# Altium PCB 20门锁控（160412）.PcbDoc (continued)
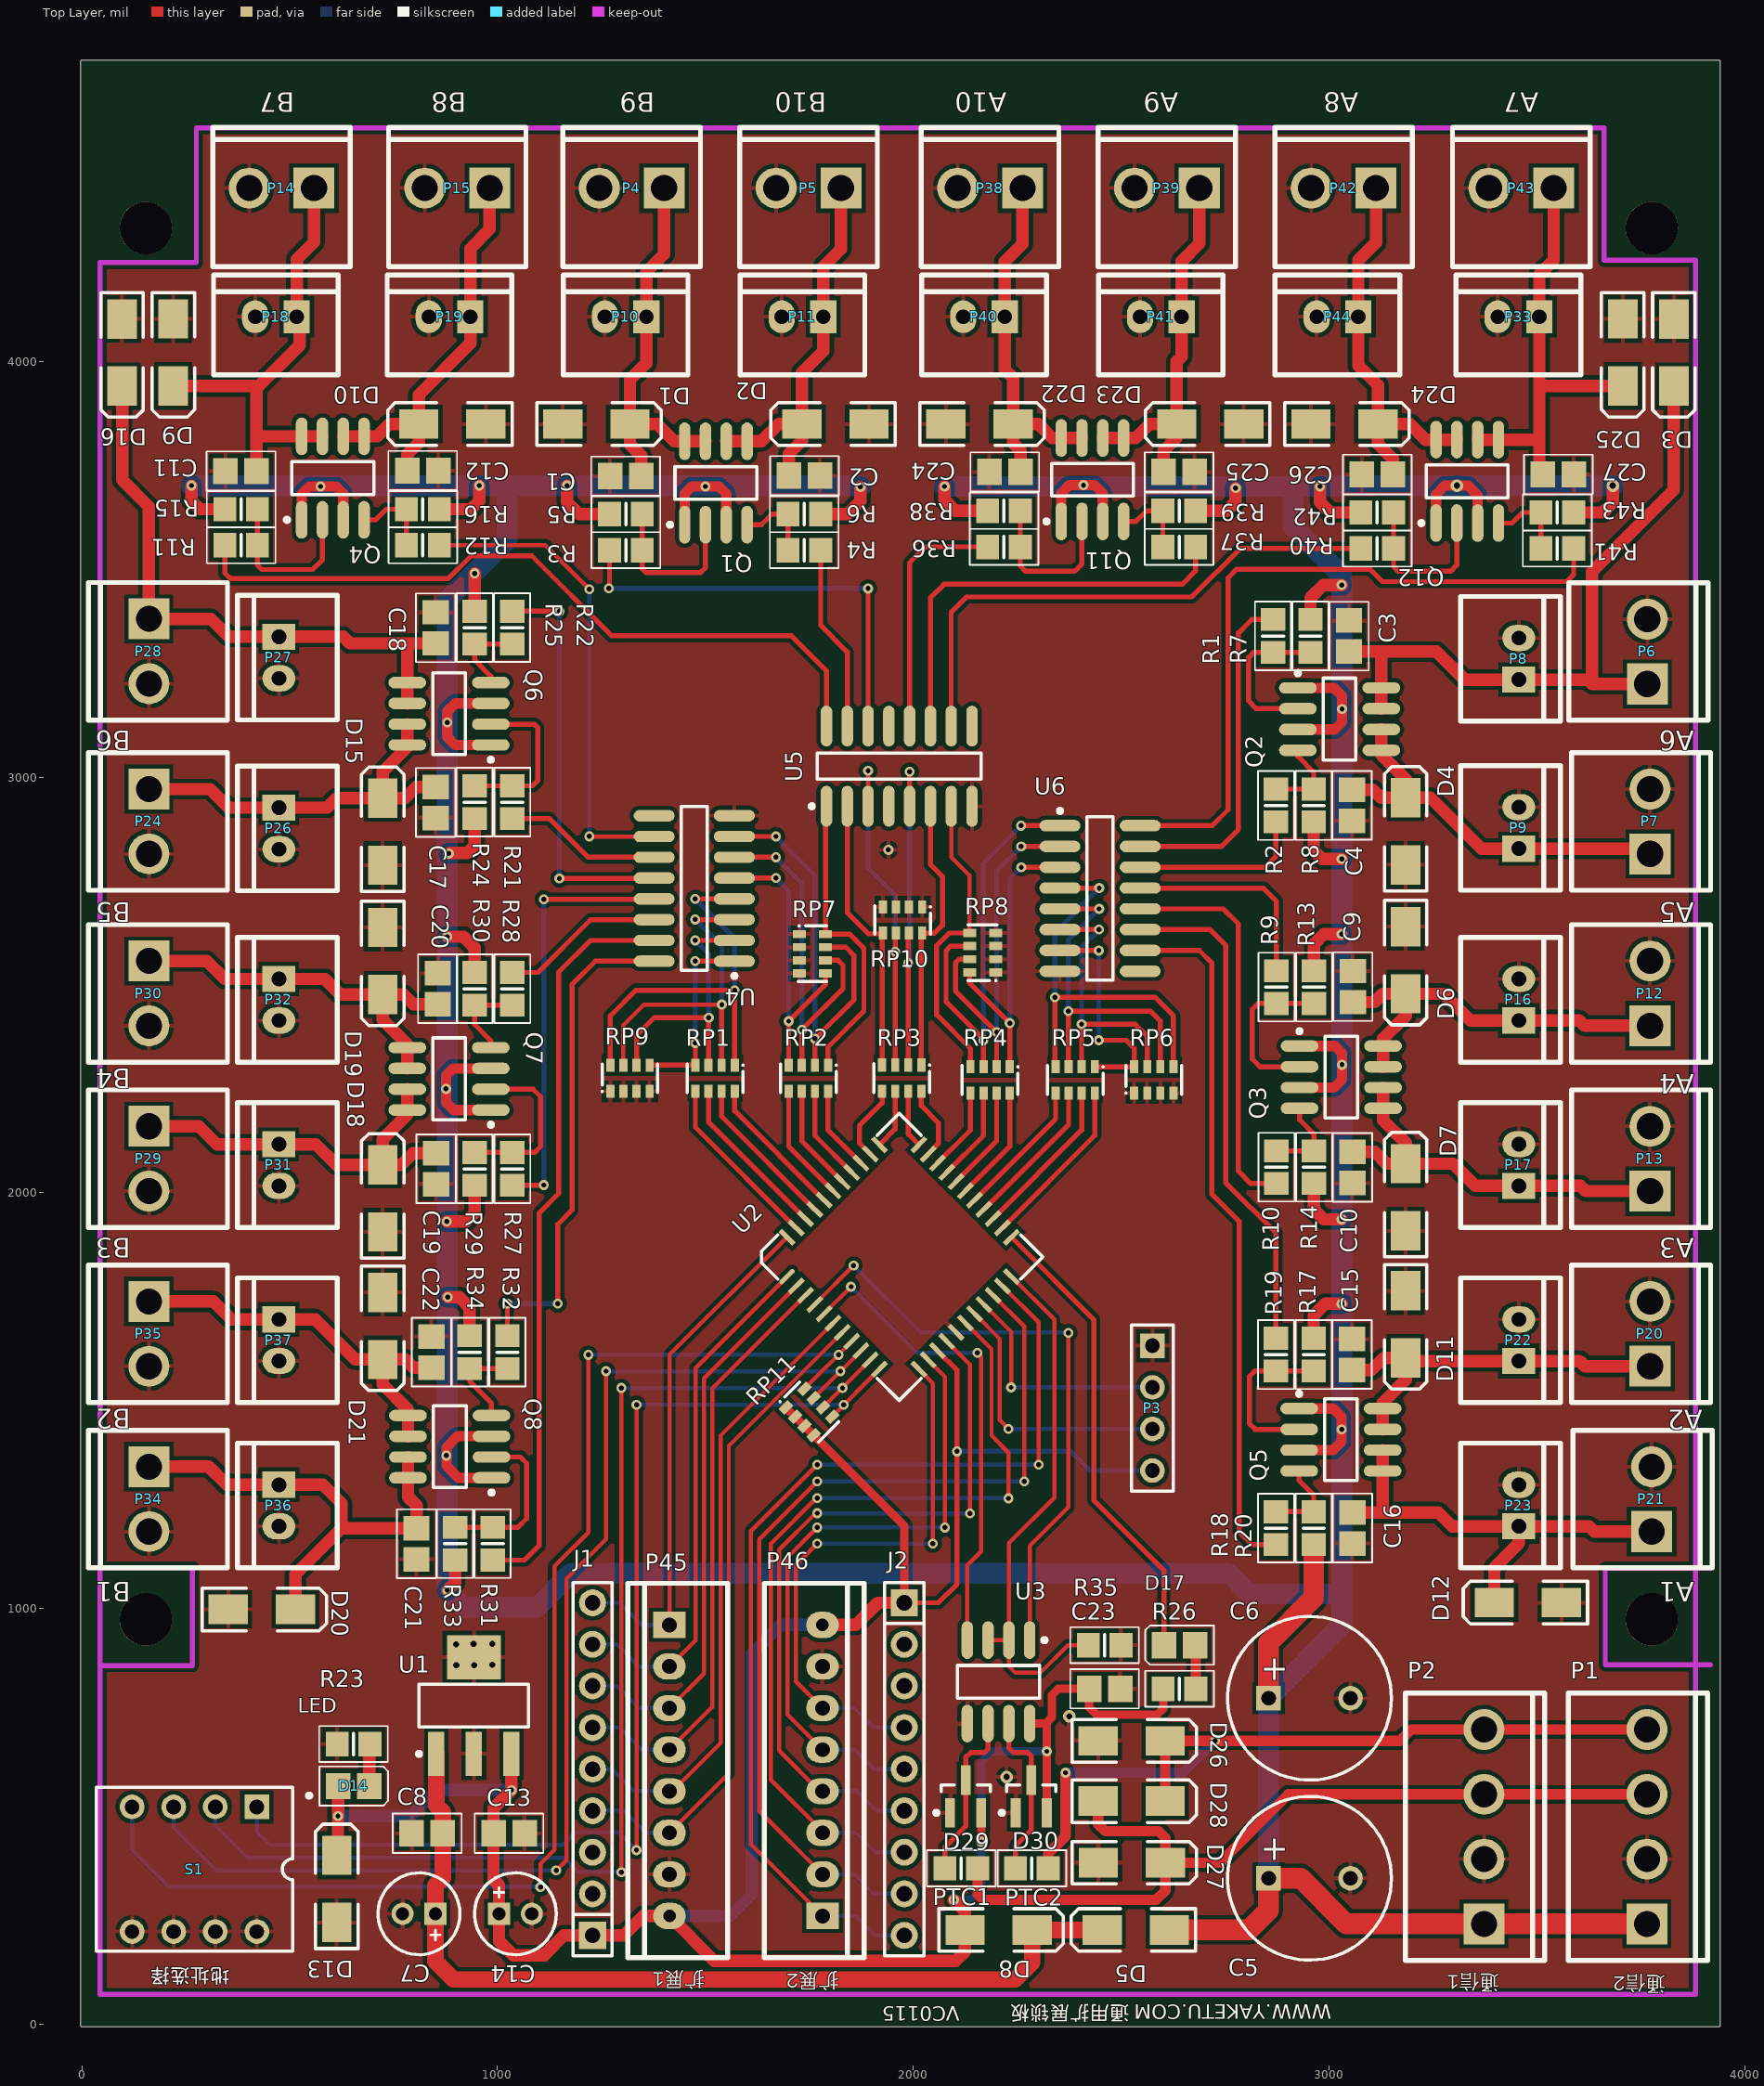
[diagram p0: Top Layer view]
## Via types
v1: diameter 24, hole 12, Top Layer to Bottom Layer, 108 vias
v2: diameter 30, hole 15, Top Layer to Bottom Layer, 10 vias

## Nets (pads, with @x,y where several pads share a name; then routed paths per layer and width w, separated by ;. In a path a pad name is that pad's centre, name@x,y a point inside that pad or via, vN(x,y) a via of type N, cw(c..) or ccw(c..) an arc to the next point about the centre after c; other vN are vias at no path point)
+12V: C5.1 C6.1 D5.1 P1.1 P2.1 Q1.1 Q1.3 Q2.1 Q2.3 Q3.1 Q3.3 Q4.1 Q4.3 Q5.1 Q5.3 Q6.1 Q6.3 Q7.1 Q7.3 Q8.1 Q8.3 Q11.1 Q11.3 Q12.1 Q12.3 R5.2 R6.2 R7.2 R8.2 R13.2 R14.2 R15.2 R16.2 R19.2 R20.2 R24.2 R25.2 R29.2 R30.2 R33.2 R34.2 R38.2 R39.2 R42.2 R43.2 | length 18617.5
  Top Layer w25: Q4.1 528.8,3680.8 547,3699 612,3699 628.8,3682.2 Q4.3 ; Q7.1 893.83,2199.17 876,2217 876,2282 893.17,2299.17 Q7.3 ; Q6.1 897.87,3077.13 879,3096 879,3158 898.13,3177.13 Q6.3 ; Q8.1 905.63,1314.37 877,1343 877,1388 903.37,1414.37 Q8.3 ; Q1.1 1450.06,3682.06 1467,3699 v1(1499.5,3699) 1532,3699 1550.06,3680.94 Q1.3 ; Q11.1 2355.57,3682.57 2375,3702 v1(2409,3702) 2436,3702 2455.57,3682.43 Q11.3 ; Q2.3 3013.37,3114.37 3031,3132 3031,3195 3011.63,3214.37 Q2.1 ; Q5.3 3010.09,1381.09 3030,1401 3030,1461 3009.91,1481.09 Q5.1 ; Q3.3 3012.17,2253.17 3031,2272 3031,2336 3013.83,2353.17 Q3.1 ; Q12.1 3257.15,3680.15 3278,3701 v2(3307,3701) 3334,3701 3357.15,3677.85 Q12.3
  Top Layer w30: v1(264,3701) 264,3664 283.75,3644.25 R15.2 ; R16.2 936.25,3644.25 956,3664 v1(956,3701) ; v1(878,1931) 925,1931 944.83,1950.83 R29.2 ; v1(879,1044) 897.58,1062.58 R33.2 ; v1(879,2616) 918,2616 944.83,2589.17 R30.2 ; v1(880,1749) 908,1749 933.02,1723.98 R34.2 ; v1(883,2816) 884,2817 927,2817 944.83,2834.83 R24.2 ; R25.2 v1(944.98,3489.98) ; v1(1167,3701) 1167,3661 1195.56,3632.44 R5.2 ; R6.2 1841.44,3632.44 1873,3664 v1(1873,3698) ; v1(2075,3699) 2075,3667 2101.68,3640.32 R38.2 ; R39.2 2753.32,3640.32 2775,3662 v1(2775,3695) ; R7.2 2954.98,3430.98 2986,3462 v1(3030,3462) ; R19.2 2962.81,1705.81 2990,1733 v1(3030,1733) ; R8.2 2962.81,2823.19 2983,2803 v1(3030,2803) ; R14.2 2963.81,1959.19 2987,1936 v1(3030,1936) ; R13.2 2963.81,2598.81 2987,2622 v1(3030,2622) ; v1(2978,3699) 2978,3661 3002.62,3636.38 R42.2 ; R43.2 3658.38,3636.38 3682,3660 v2(3682,3701)
  Top Layer w50: D5.1 2806.65,226.93 2854.31,274.59 C5.1 2931.18,351.3 3041.08,241.4 P2.1 P1.1 ; C6.1 2854.31,917.31 2962.81,1025.8 R20.2
  Bottom Layer w50: v1(264,3701) v1(956,3701) 1023,3701 ; v1(1873,3698) 1870,3701 v1(1167,3701) 1023,3701 ; v1(2075,3699) 2913,3699 ; C5.1 C6.1 3030,960.06 3030,1035 ; v1(2978,3699) 2913,3699 ; v1@2978,3701 v2(3307,3701) v2(3682,3701) ; 1023,3701 1023,3570 879,3426 v1(879,3131) v1(879,2616) v1(879,1044) 920,1003 1095,1003 1177,1085 2758,1085 2808,1035 3030,1035 ; 2913,3699 2913,3603 3030,3486 v1(3030,3462) v1(3030,2803) v1(3030,2622) v1(3030,1936) v1(3030,1733) v1(3030,1431) 3030,1035
  other v1: 877,1368 876,2250 3031,2308 3031,3163.5 574,3699
A: D27.2 D28.1 P1.3 P2.3 PTC1.2 | length 2138.5
  Top Layer w25: PTC1.2 2154.35,313.17 2168.31,299.21 2583.66,299.21 2606.3,321.85 D27.2 ; D28.1@2470.4,536.93 D28.1 2444.28,481.91 2461.61,464.57 2589.57,464.57 2606.3,447.83 D27.2 ; P1.3 P2.3 2901.64,553.21 2737.2,388.78 D27.2
ADDR1: RP11.5 S1.1 U2.11 | length 2747.2
  Top Layer w10: v1@1334.16,419 v1(1334.16,1490.16) ; RP11.5 1804.66,1461.64 U2.11
  Bottom Layer w10: S1.1 421,463 452,432 1158,432 1188,462 1291,462 v1(1334,419) ; v1@1334,1490.16 v1(1334.16,1490.16) v1(1832.68,1490.16)
ADDR2: RP11.6 S1.2 U2.10 | length 2926.2
  Top Layer w10: v1@1297.51,366.39 v1(1297.51,1530.51) ; RP11.6 1782.39,1483.92 U2.10
  Bottom Layer w10: S1.2 321,478 399,400 1161.28,400 1183,378.28 1183,378 1194.61,366.39 1296.61,366.39 1297,366 v1(1298,366) ; v1(1297.51,1530.51) v1(1829.72,1530.51)
ADDR3: RP11.7 S1.3 U2.9 | length 2996.4
  Top Layer w10: v1(1141,370) 1166,395 1166,1072 1260.87,1166.87 v1(1260.87,1570.87) v1@1257.28,1567.28 ; RP11.7 U2.9@1874.12,1620.08
  Bottom Layer w10: S1.3 221,473 324,370 v1(1141,370) v1@1144,370 ; v1(1260.87,1570.87) v1(1824.8,1570.87)
ADDR4: RP11.8 S1.4 U2.8 | length 3215.3
  Top Layer w10: v1(1103,330) 1103,386 1137,420 1137,1102 1218.24,1183.24 v1(1218.24,1610.24) ; RP11.8 U2.8@1851.84,1642.35
  Bottom Layer w10: S1.4 121,419 209,331 v1@1105,331 ; v1(1218.24,1610.24) v1(1819.88,1610.24)
B: D26.2 D28.2 P1.4 P2.4 PTC2.2 | length 1953.4
  Top Layer w25: PTC2.2 2324.35,410.97 2366.14,452.76 v1(2366.14,605.32) ; D28.2 D26.2 3170.12,681.93 3197.31,709.12 P2.4 P1.4
  Bottom Layer w25: v1(2366.14,605.32) 2648.62,605.32 v1(2725.39,682.09)
CLK1: J1.4 P45.6 U2.7 | length 1583.6
  Top Layer w10: P45.6 1556.1,603.35 1556.1,1391.25 U2.7
  Bottom Layer w10: J1.4 1303.06,513.87 1356.3,460.63 P45.6
CLK2: J2.4 P46.6 U2.12 | length 1371.8
  Top Layer w10: v1(1768.7,1156.02) 1717.21,1104.52 1717.21,824.92 P46.6 ; U2.12 2047.24,1541.71 v1@2047.24,1156.02
  Bottom Layer w10: v1(1768.7,1156.02) v1@2047.24,1156.02 ; P46.6 1857.48,760.63 1904.24,713.87 J2.4
  other v1: 2047,1156
DATA1_1: J1.9 P45.1 U2.44 | length 1256.5
  Top Layer w10: P45.1 1413.39,1610.44 U2.44
  Bottom Layer w10: J1.9 1293.21,1013.87 1346.46,960.63 P45.1
DATA1_2: J1.6 P45.4 U2.3 | length 1435.8
  Top Layer w10: P45.4 1516.1,763.35 1516.1,1529.42 U2.3
  Bottom Layer w10: J1.6 1293.02,713.87 1346.26,660.63 P45.4
DATA2_1: J2.9 P46.1 U2.21 | length 2438
  Top Layer w10: v1(1768.7,1345.98) 1608.94,1186.21 1608.94,433.19 P46.1 ; U2.21 2301.18,1688.65 v1(2301.18,1345.98)
  Bottom Layer w10: v1(1768.7,1345.98) v1(2301.18,1345.98) ; P46.1 1861.42,260.63 1908.17,213.87 J2.9
DATA2_2: J2.6 P46.4 U2.15 | length 1776.2
  Top Layer w10: v1(1768.7,1229.21) 1764.78,1229.21 1677.13,1141.57 1677.13,1110.72 1677.21,1110.64 1677.21,658.07 1774.65,560.63 P46.4 ; U2.15 2136,1586.58 v1(2136,1229)
  Bottom Layer w10: v1(1768.7,1229.21) v1@2136,1229.21 ; P46.4 1864.57,560.63 1911.32,513.87 J2.6
GND: C1.1 C2.1 C3.1 C4.1 C5.2 C6.2 C7.2 C8.1 C9.1 C10.1 C11.1 C12.1 C13.2 C14.2 C15.1 C16.1 C17.1 C18.1 C19.1 C20.1 C21.1 C22.1 C23.2 C24.1 C25.1 C26.1 C27.1 D1.1 D2.1 D3.1 D4.1 D6.1 D7.1 D9.1 D10.1 D11.1 D12.1 D13.1 D15.1 D16.1 D18.1 D19.1 D20.1 D21.1 D22.1 D23.1 D24.1 D25.1 D26.1 D27.1 D29.1 D30.1 P1.2 P2.2 P3.1 P4.2 P5.2 P6.2 P7.2 P8.2 P9.2 P10.2 P11.2 P12.2 P13.2 P14.2 P15.2 P16.2 P17.2 P18.2 P19.2 P20.2 P21.2 P22.2 P23.2 P24.2 P26.2 P27.2 P28.2 P29.2 P30.2 P31.2 P32.2 P33.2 P34.2 P35.2 P36.2 P37.2 P38.2 P39.2 P40.2 P41.2 P42.2 P43.2 P44.2 P45.7 P46.7 R23.1 R35.1 RP6.1 RP6.2 RP6.3 RP6.4 RP7.1 RP7.2 RP7.3 RP7.4 RP8.1 RP8.2 RP8.3 RP8.4 RP9.1 RP9.2 RP9.3 RP9.4 RP10.1 RP10.2 RP10.3 RP10.4 S1.5 S1.6 S1.7 S1.8 U1.2 U1.4 U2.16 U3.5 U4.8 U5.8 U6.8
  other v1: 1940,2825
  other v2: 2224,595 2375,741 901,864 944,864 987,865 900,914 942,915 987,915
LC1: RP3.6 U2.34 | length 144
  Top Layer w12: U2.34 1956.24,2153.29 RP3.6
LC2: RP3.5 U2.35 | length 184.3
  Top Layer w12: U2.35 1870.08,2119.75 1870.08,2161.42 1924.74,2216.08 RP3.5
LC3: RP2.8 U2.36 | length 205.6
  Top Layer w12: RP2.8 1794.72,2150.57 U2.36
LC4: RP2.7 U2.37 | length 231.7
  Top Layer w12: RP2.7 1763.22,2137.53 U2.37
LC5: RP2.6 U2.38 | length 257.8
  Top Layer w12: RP2.6 1731.72,2124.48 U2.38
LC6: RP2.5 U2.39 | length 283.9
  Top Layer w12: RP2.5 1700.23,2111.43 U2.39
LC7: RP1.8 U2.40 | length 350.7
  Top Layer w12: RP1.8 1570.31,2196.81 U2.40
LC8: RP1.7 U2.41 | length 376.8
  Top Layer w12: RP1.7 1538.81,2183.77 U2.41
LC9: RP1.6 U2.42 | length 402.9
  Top Layer w12: RP1.6 1507.32,2170.72 U2.42
LC10: RP1.5 U2.43 | length 429
  Top Layer w12: RP1.5 1475.82,2157.67 U2.43
LC11: RP3.7 U2.33 | length 139.1
  Top Layer w12: RP3.7 1987.73,2141.29 U2.33
LC12: RP3.8 U2.32 | length 177.8
  Top Layer w12: RP3.8 2019.23,2209.12 2060.04,2168.31 2060.04,2117.9 U2.32
LC13: RP4.5 U2.31 | length 201.7
  Top Layer w12: U2.31 2137.24,2150.56 RP4.5
LC14: RP4.6 U2.30 | length 227.8
  Top Layer w12: U2.30 2168.73,2137.51 RP4.6
LC15: RP4.7 U2.29 | length 253.8
  Top Layer w12: U2.29 2200.23,2124.47 RP4.7
LC16: RP4.8 U2.28 | length 279.9
  Top Layer w12: U2.28 2231.72,2111.42 RP4.8
LC17: RP5.5 U2.27 | length 338.6
  Top Layer w12: U2.27 2341.96,2177.11 RP5.5
LC18: RP5.6 U2.26 | length 364.7
  Top Layer w12: U2.26 2373.46,2164.07 RP5.6
LC19: RP5.7 U2.25 | length 390.8
  Top Layer w12: U2.25 2404.95,2151.02 RP5.7
LC20: RP5.8 U2.24 | length 416.9
  Top Layer w12: U2.24 2436.45,2137.97 RP5.8
LC_DRV1: R3.1 U5.14 | length 1046.9
  Top Layer w12: v1(1267.72,3453.74) 1269.16,3455.18 R3.1 ; U5.14 v1(1891.01,3453.48)
  Bottom Layer w12: v1(1267.72,3453.74) v1(1891.01,3453.48)
LC_DRV2: R4.1 U5.15 | length 449.7
  Top Layer w12: R4.1 1777.03,3364.7 1841.01,3300.72 U5.15
LC_DRV3: R11.1 U5.16 | length 1789.6
  Top Layer w12: R11.1 343.96,3490.68 357.82,3476.82 ; 358.02,3477.02 881.02,3477.02 936,3532 1082.17,3532 1274.61,3339.57 1706.69,3339.57 1791.01,3255.25 U5.16
LC_DRV4: R12.1 U4.10 | length 1155.3
  Top Layer w10: R12.1 1114.61,3557.64 v1(1220.47,3451.77) ; v1(1220.47,2857.28) 1220.72,2857.04 U4.10
  Bottom Layer w10: v1(1220.47,2857.28) v1(1220.47,3451.77)
LC_DRV5: R21.1 U4.11 | length 379.7
  Top Layer w12: R21.1 1124.45,2900.16 1217.57,2807.04 U4.11
LC_DRV6: R22.1 U4.12 | length 984.8
  Top Layer w12: R22.1 v1(1148.74,3398.74) ; v1(1148.74,2755.91) 1375.39,2755.91 U4.12
  Bottom Layer w12: v1(1148.74,2755.91) v1(1148.74,3398.74)
LC_DRV7: R27.1 U4.13 | length 1028.9
  Top Layer w10: v1@1110.79,2018.27 v1(1111.22,2018.7)
  Top Layer w12: R27.1 v1@1110.79,2018.27 ; v1(1111.22,2705.71) 1375.2,2705.71 U4.13
  Bottom Layer w12: v1(1111.22,2018.7) v1(1111.22,2705.71)
LC_DRV8: R28.1 U4.14 | length 393.7
  Top Layer w12: R28.1 1097.01,2530.08 1223.97,2657.04 U4.14
LC_DRV9: R31.1 U4.15 | length 1785.8
  Top Layer w12: R31.1 1064.53,1116.69 1100.39,1152.56 1100.39,1951.77 1146.65,1998.03 1146.65,2530.51 1223.18,2607.04 U4.15
LC_DRV10: R32.1 U4.16 | length 1200.9
  Top Layer w12: R32.1 v1(1023.57,1733.27) ; v1(1144.69,1733.27) 1144.69,1924.21 1179.13,1958.66 1179.13,2500.98 1235.19,2557.04 U4.16
  Bottom Layer w12: v1(1023.57,1733.27) v1(1144.69,1733.27)
LC_DRV11: R36.1 U5.12 | length 596.4
  Top Layer w12: U5.12 1991.01,3515.61 2029.09,3553.7 R36.1
LC_DRV12: R37.1 U5.11 | length 1030.8
  Top Layer w12: U5.11 2041.01,3430.77 2073.82,3463.58 2646.65,3463.58 2678.61,3495.54 R37.1
LC_DRV13: R40.1 U5.10 | length 1322.4
  Top Layer w12: U5.10 2091.01,3396.13 2127.95,3433.07 2669.29,3433.07 2785.98,3549.76 R40.1
LC_DRV14: R41.1 U6.16 | length 1707.2
  Top Layer w12: U6.16 2718.67,2883.04 2756.89,2921.26 2756.89,3478.89 2778,3500 3098,3500 3128,3470 3571.38,3470 3588.06,3486.68 R41.1
LC_DRV15: R1.1 U6.15 | length 822.3
  Top Layer w12: U6.15 2740.52,2833.04 2781.5,2874.02 2781.5,3346.46 2813.78,3378.74 R1.1
LC_DRV16: R2.1 U6.14 | length 421.2
  Top Layer w12: U6.14 2546,2782.48 2845.47,2782.48 2872.26,2809.27 R2.1
LC_DRV17: R9.1 U6.13 | length 507.8
  Top Layer w12: U6.13 2840.78,2733.04 2873.26,2700.56 R9.1
LC_DRV18: R10.1 U6.12 | length 949.8
  Top Layer w12: U6.12 2745.11,2683.04 2781.5,2646.65 2781.5,2052.17 2811.39,2022.27 R10.1
LC_DRV19: R17.1 U6.11 | length 1216.6
  Top Layer w12: U6.11 2713.42,2633.04 2750.98,2595.47 2750.98,2024.61 2872.26,1903.33 R17.1
LC_DRV20: R18.1 U6.10 | length 1681.5
  Top Layer w12: U6.10 2687.63,2583.04 2717.52,2553.15 2717.52,1997.05 2783.46,1931.1 2783.46,1185.04 2814.38,1154.13 R18.1
LED1: D17.2 U2.23 | length 1132.9
  Top Layer w12: U2.23 2434.03,1695 2434.03,1260.56 2602.58,1092 D17.2
NetC1_2: C1.2 D1.2 P4.1 P10.1 Q1.7 Q1.8 | length 936.7
  Top Layer w30: C1.2 1345.39,3772.72 1318.37,3799.74 D1.2 ; P4.1 1400.57,4257.86 1357.98,4215.26 P10.1 1357.98,3995.77 1318.37,3956.17 D1.2 ; Q1.7 Q1.8 1424.65,3807.64 1383.31,3848.98 D1.2
NetC2_2: C2.2 D2.2 P5.1 P11.1 Q1.5 Q1.6 | length 942.4
  Top Layer w30: Q1.6 Q1.5 1634.41,3807.64 1675.75,3848.98 D2.2 ; C2.2 1700.58,3777.35 1731.76,3808.53 D2.2 ; P5.1 1825.97,4269.87 1783.37,4227.27 P11.1 1783.37,4024.51 1731.76,3972.9 D2.2
NetC3_2: C3.2 D3.2 P6.1 P8.1 Q2.7 Q2.8 | length 1685
  Top Layer w30: C3.2 3125.98,3301.53 ; Q2.7 Q2.8 3125.38,3300.92 3125.98,3301.53 ; P6.1 3632.52,3223.78 ; D3.2 3829,3690.17 3632.52,3493.69 3632.52,3223.78 ; D3.2@3840.02,3940.29 D3.2@3840.02,3940.55 ; 3125.98,3301.53 3258.51,3301.53 3325.67,3234.37 P8.1 3621.93,3234.37 3632.52,3223.78
NetC4_2: C4.2 D4.2 P7.1 P9.1 Q2.5 Q2.6 | length 969.1
  Top Layer w30: C4.2 3105.47,2969.33 3124.72,2950.08 D4.2 ; Q2.6 Q2.5 3125.38,3053.76 3183.98,2995.15 D4.2 ; P7.1 3759.04,2827.72 P9.1 3366.18,2827.72 3243.82,2950.08 D4.2
NetC7_1: C7.1 C8.2 D5.2 D8.2 U1.1 | length 2230.1
  Top Layer w40: U1.1 852.36,526.57 868.09,510.84 C8.2 868.09,351.36 850.42,333.68 C7.1 850.42,151.55 894.12,107.85 2245,107.85 2285.69,148.54 D8.2 D5.2
NetC9_2: C9.2 D6.2 P12.1 P16.1 Q3.7 Q3.8 | length 952.9
  Top Layer w30: C9.2 3108.13,2458.53 3128.27,2478.66 D6.2 ; Q3.7 Q3.8 3129.64,2370.78 3183.98,2425.13 D6.2 ; P12.1 3614.02,2401.73 3601.42,2414.33 P16.1 3339.61,2414.33 3275.28,2478.66 D6.2
NetC10_2: C10.2 D7.2 P13.1 P17.1 Q3.5 Q3.6 | length 960.3
  Top Layer w30: C10.2 3109.35,2098.33 3137.6,2070.08 D7.2 ; Q3.6 Q3.5 3129.64,2174.5 3183.98,2120.15 D7.2 ; P13.1 3616.97,2004.09 3604.37,2016.69 P17.1 3351.42,2016.69 3298.03,2070.08 D7.2
NetC11_2: C11.2 D9.2 P14.1 P18.1 Q4.7 Q4.8 | length 1104.5
  Top Layer w30: D9.2 414.98,3940.55 420.39,3935.15 ; C11.2 420.39,3819.88 ; P14.1 558.45,4286.8 516.98,4245.33 P18.1 523.62,4100.47 523.62,4038.39 420.39,3935.15 ; Q4.7 Q4.8 420.82,3819.45 420.39,3819.88 ; 420.39,3819.88 420.39,3935.15
NetC12_2: C12.2 D10.2 P15.1 P19.1 Q4.5 Q4.6 | length 955.7
  Top Layer w30: Q4.6 Q4.5 710.2,3819.45 739.72,3848.98 D10.2 ; C12.2 782.58,3776.68 810.5,3804.59 D10.2 ; P15.1 980.97,4317.58 934.51,4271.13 P19.1 934.51,4043.76 810.5,3919.75 D10.2
NetC15_2: C15.2 D11.2 P20.1 P22.1 Q5.7 Q5.8 | length 931.9
  Top Layer w30: C15.2 3102.07,1573.53 3131.46,1602.91 D11.2 ; Q5.7 Q5.8 3128.64,1494.78 3183.98,1550.13 D11.2 ; P20.1 3615,1582.83 3602.4,1595.43 P22.1 3191.46,1595.43 D11.2
NetC16_2: C16.2 D12.2 P21.1 P23.1 Q5.5 Q5.6 | length 1096.4
  Top Layer w30: C16.2 3128.94,1231.33 ; Q5.6 Q5.5 3128.64,1231.63 3128.94,1231.33 ; D12.2 3397.11,1097.9 3455.98,1156.77 P23.1 ; P21.1 3637.64,1185.2 3625.04,1197.8 P23.1 ; 3128.94,1231.33 3262.76,1231.33 3296.3,1197.8 P23.1
NetC17_2: C17.2 D15.2 P24.1 P26.1 Q6.7 Q6.8 | length 931.1
  Top Layer w30: P24.1 308.5,2971.02 353.16,2926.37 P26.1 589.76,2926.37 612.76,2949.37 D15.2 ; Q6.7 Q6.8 782.94,3072.31 723.6,3012.97 D15.2 ; C17.2 804.09,2976.33 777.13,2949.37 D15.2
NetC18_2: C18.2 D16.2 P27.1 P28.1 Q6.5 Q6.6 | length 1450.7
  Top Layer w30: D16.2@86.12,3940.55 97,3929.67 97,3715.01 161.4,3650.61 P28.1 310.47,3380.47 353.57,3337.37 P27.1 629.17,3337.37 645.01,3321.53 780.51,3321.53 ; Q6.6 Q6.5 782.94,3319.1 780.51,3321.53 ; C18.2 780.51,3321.53
NetC19_2: C19.2 D18.2 P29.1 P31.1 Q7.7 Q7.8 | length 946.7
  Top Layer w30: P29.1 281.93,2160 325.24,2116.69 P31.1 563.43,2116.69 612.64,2067.48 D18.2 ; Q7.7 Q7.8 782.94,2188.45 723.6,2129.11 D18.2 ; C19.2 796.12,2095.33 768.27,2067.48 D18.2
NetC20_2: C20.2 D19.2 P30.1 P32.1 Q7.5 Q7.6 | length 940
  Top Layer w30: P30.1 300.63,2557.64 343.94,2514.33 P32.1 584.09,2514.33 621.5,2476.93 D19.2 ; Q7.6 Q7.5 782.94,2356.83 723.6,2416.17 D19.2 ; C20.2 797.46,2453.53 774.06,2476.93 D19.2
NetC21_2: C21.2 D20.2 P34.1 P36.1 Q8.7 Q8.8 | length 1160.7
  Top Layer w30: P34.1 305.55,1341.1 348.86,1297.8 P36.1 580.16,1297.8 624.43,1253.52 624.43,1193.33 ; D20.2 513.69,1082.59 624.43,1193.33 ; Q8.7 Q8.8 784.59,1268.56 804.98,1248.17 C21.2 624.43,1193.33
NetC22_2: C22.2 D21.2 P35.1 P37.1 Q8.5 Q8.6 | length 955.4
  Top Layer w30: P35.1 316.38,1738.74 359.68,1695.43 P37.1 561.46,1695.43 657.91,1598.98 D21.2 ; Q8.6 Q8.5 784.59,1478.2 723.6,1539.2 D21.2 ; C22.2 797.44,1579.53 777.99,1598.98 D21.2
NetC24_2: C24.2 D22.2 P38.1 P40.1 Q11.7 Q11.8 | length 895.5
  Top Layer w30: C24.2 2257.39,3784.94 2239.63,3802.69 D22.2 ; P38.1 2262.58,4282.27 2219.98,4239.67 P40.1 2219.98,3979.82 2239.63,3960.17 D22.2 ; Q11.7 Q11.8 2334.09,3815.51 2300.63,3848.98 D22.2
NetC25_2: C25.2 D23.2 P39.1 P41.1 Q11.5 Q11.6 | length 909.8
  Top Layer w30: Q11.6 Q11.5 2535,3815.51 2568.46,3848.98 D23.2 ; C25.2 2601.58,3784.65 2633.33,3816.4 D23.2 ; P39.1 2687.58,4283.06 2644.98,4240.46 P41.1 2644.98,4011.13 2633.33,3999.47 D23.2
NetC26_2: C26.2 D24.2 P42.1 P44.1 Q12.7 Q12.8 | length 945.9
  Top Layer w30: P42.1 3112.58,4285.81 3069.98,4243.21 P44.1 3069.98,3990.06 3117.58,3942.46 D24.2 ; C26.2 3153.39,3764.92 3117.58,3800.72 D24.2 ; Q12.7 Q12.8 3231.73,3811.57 3194.33,3848.98 D24.2
NetC27_2: C27.2 D25.2 P33.1 P43.1 Q12.5 Q12.6 | length 1057.8
  Top Layer w30: Q12.6 Q12.5 3501.99,3811.57 3505.38,3814.96 ; C27.2 3505.38,3736.13 3505.38,3814.96 ; P43.1 3540.02,4242.78 3505.38,4208.13 P33.1 3505.38,3942.91 ; D25.2 3507.74,3940.55 3505.38,3942.91 ; 3505.38,3814.96 3505.38,3942.91
NetD14_2: D14.2 R23.2 | length 101.9
  Top Layer w30: D14.2 691.28,672.58 R23.2
NetD17_1: D17.1 R26.1 | length 105.8
  Top Layer w25: D17.1 2679.35,909.96 R26.1
NetD29_3: D29.3 PTC1.1 U3.6 | length 410.9
  Top Layer w12: PTC1.1 2075.61,425.96 2125.97,476.31 D29.3 2125.97,641.72 2137.8,653.54 2171.26,653.54 2179.71,661.99 U3.6
NetD30_3: D30.3 PTC2.1 U3.7 | length 406.8
  Top Layer w12: U3.7 2229.71,663.99 2240.16,653.54 2275.59,653.54 2283.45,645.69 D30.3 2283.45,467.5 2245.61,429.67 PTC2.1
NetQ1_2: Q1.2 R3.2 R5.1 | length 395.3
  Top Layer w12: R5.1 R3.2 1347.9,3500.53 1356.3,3492.13 1488.19,3492.13 1500.06,3504 Q1.2
NetQ1_4: Q1.4 R4.2 R6.1 | length 195.4
  Top Layer w12: Q1.4 1634.41,3606.85 1660,3632.44 R6.1 R4.2
NetQ2_2: Q2.2 R1.2 R7.1 | length 384.7
  Top Layer w12: Q2.2 2824.8,3164.37 2806.1,3183.07 2806.1,3287.4 2818.7,3300 R1.2 R7.1
NetQ2_4: Q2.4 R2.2 R8.1 | length 199.7
  Top Layer w12: R2.2 R8.1 2962.81,3011.6 2924.59,3049.82 Q2.4
NetQ3_2: Q3.2 R9.2 R13.1 | length 395.5
  Top Layer w12: Q3.2 2833.64,2303.17 2814.96,2321.85 2814.96,2440.94 2829.35,2455.34 R9.2 R13.1
NetQ3_4: Q3.4 R10.2 R14.1 | length 207.2
  Top Layer w12: R10.2 R14.1 2963.81,2140.52 2928.85,2175.48 Q3.4
NetQ4_2: Q4.2 R11.2 R15.1 | length 401
  Top Layer w12: R15.1 R11.2 422.7,3509.39 433.07,3499.02 555.12,3499.02 578.8,3522.7 Q4.2
NetQ4_4: Q4.4 R12.2 R16.1 | length 199.4
  Top Layer w12: Q4.4 706.26,3618.66 731.85,3644.25 R16.1 R12.2
NetQ5_2: Q5.2 R17.2 R19.1 | length 399
  Top Layer w12: Q5.2 2821.86,1431.09 2808.07,1444.88 2808.07,1558.07 2821.45,1571.45 R17.2 R19.1
NetQ5_4: Q5.4 R18.2 R20.1 | length 203.3
  Top Layer w12: R18.2 R20.1 2962.81,1272.43 2927.85,1307.39 Q5.4
NetQ6_2: Q6.2 R21.2 R24.1 | length 400.7
  Top Layer w12: R24.1 R21.2 1084.21,2978.9 1096.46,2991.14 1096.46,3119.09 1088.43,3127.13 Q6.2
NetQ6_4: Q6.4 R22.2 R25.1 | length 198.9
  Top Layer w12: Q6.4 983.72,3242.65 944.98,3281.39 R25.1 R22.2
NetQ7_2: Q7.2 R27.2 R29.1 | length 411.5
  Top Layer w12: R29.1 R27.2 1089.13,2097.01 1103.35,2111.22 1103.35,2231.3 1085.47,2249.17 Q7.2
NetQ7_4: Q7.4 R28.2 R30.1 | length 208.8
  Top Layer w12: Q7.4 983.72,2365.69 944.83,2404.58 R30.1 R28.2
NetQ8_2: Q8.2 R31.2 R33.1 | length 404.6
  Top Layer w12: R33.1 R31.2 1048.78,1195.43 1069.88,1216.54 1069.88,1349.41 1054.92,1364.37 Q8.2
NetQ8_4: Q8.4 R32.2 R34.1 | length 225.2
  Top Layer w12: Q8.4 985.38,1493.95 933.02,1546.31 R34.1 R32.2
NetQ11_2: Q11.2 R36.2 R38.1 | length 395.5
  Top Layer w12: R38.1 R36.2 2257.35,3507.42 2269.69,3495.08 2387.8,3495.08 2405.57,3512.86 Q11.2
NetQ11_4: Q11.4 R37.2 R39.1 | length 191.5
  Top Layer w12: Q11.4 2535,3614.72 2560.59,3640.32 R39.1 R37.2
NetQ12_2: Q12.2 R40.2 R42.1 | length 393.8
  Top Layer w12: R42.1 R40.2 3154.98,3506.43 3166.34,3495.08 3292.32,3495.08 3307.15,3509.91 Q12.2
NetQ12_4: Q12.4 R41.2 R43.1 | length 199.4
  Top Layer w12: Q12.4 3439.53,3610.79 3465.12,3636.38 R43.1 R41.2
NetRP1_1: RP1.1 RP9.8 U4.4 | length 959.1
  Top Layer w12: RP9.8 1271.09,2425.62 1332.68,2487.2 v1(1569.88,2487.2) 1570.31,2486.78 RP1.1 ; 1492.47,2707.04 U4.4
  Bottom Layer w12: v1(1475.39,2706.69) 1569.88,2612.2 v1(1569.88,2487.2)
NetRP1_2: RP1.2 RP9.7 U4.3 | length 824.3
  Top Layer w10: RP9.7 1302.59,2402.98 1352.36,2452.76 v1(1539.37,2452.76)
  Top Layer w12: v1(1475.39,2657.48) 1475.83,2657.04 U4.3 ; RP1.2 v1@1538.81,2452.2
  Bottom Layer w12: v1(1475.39,2657.48) 1539.37,2593.5 v1(1539.37,2452.76)
NetRP1_3: RP1.3 RP9.6 U4.2 | length 670.5
  Top Layer w12: RP9.6 1334.09,2378.38 1376.97,2421.26 v1(1507.87,2421.26) ; v1(1475.39,2607.28) 1475.64,2607.04 U4.2 ; RP1.3 v1@1507.32,2420.7
  Bottom Layer w12: v1(1475.39,2607.28) 1507.87,2574.8 v1(1507.87,2421.26)
NetRP1_4: RP1.4 RP9.5 U4.1 | length 456.1
  Top Layer w12: RP9.5 RP1.4 v1@1475.82,2361.78 ; v1(1475.39,2557.09) 1476.38,2557.09 1476.43,2557.04 U4.1
  Bottom Layer w12: v1(1475.39,2360.24) v1(1475.39,2557.09)
NetRP2_1: RP2.1 RP7.8 U5.1 | length 731.7
  Top Layer w12: U5.1 1788.48,2927.16 RP7.8 1846.21,2622.29 1880.91,2587.6 1880.91,2437.01 1794.72,2350.82 RP2.1
NetRP2_2: RP2.2 RP7.7 U4.7 | length 1005.1
  Top Layer w12: U4.7 v1(1669.29,2857.04) ; RP2.2 v1(1763.22,2370.5) 1857.28,2464.57 1857.28,2570.56 1837.05,2590.8 RP7.7
  Bottom Layer w12: v1(1669.29,2857.04) 1763.22,2763.11 v1(1763.22,2370.5)
NetRP2_3: RP2.3 RP7.6 U4.6 | length 869.2
  Top Layer w12: U4.6 v1(1669.24,2807.04) ; RP2.3 v1(1731.72,2392.16) 1830.71,2491.14 1830.71,2547.24 1818.65,2559.3 RP7.6
  Bottom Layer w12: v1(1669.24,2807.04) 1731.72,2744.56 v1(1731.72,2392.16)
NetRP2_4: RP2.4 RP7.5 U4.5 | length 714.4
  Top Layer w12: U4.5 v1(1669.29,2757.04) ; RP2.4 v1(1700.23,2412.83) 1788.48,2501.08 RP7.5
  Bottom Layer w12: v1(1669.29,2757.04) 1700.23,2726.1 v1(1700.23,2412.83)
NetRP3_1: RP3.1 RP10.8 U5.6 | length 670.1
  Top Layer w12: RP3.1 RP10.8@2019.23,2622.67 ; RP10.8 2050.75,2624.57 2069.88,2643.7 2069.88,2760.83 2041.01,2789.7 U5.6
NetRP3_2: RP3.2 RP10.7 U5.5 | length 860.3
  Top Layer w12: RP3.2 v1(1987.73,2552.17) RP10.7@1987.73,2622.67 ; U5.5 v1(1991.01,3012.66)
  Bottom Layer w12: v1(1987.73,2552.17) 1991.01,2555.44 v1(1991.01,3012.66)
NetRP3_3: RP3.3 RP10.6 U5.3 | length 863.2
  Top Layer w12: U5.3 v1(1891.01,3015.02) ; RP3.3 v1(1956.24,2579.72) RP10.6@1956.24,2622.67
  Bottom Layer w12: v1(1891.01,3015.02) 1891.01,2781.24 1956.24,2716.01 v1(1956.24,2579.72)
NetRP3_4: RP3.4 RP10.5 U5.2 | length 676.3
  Top Layer w12: U5.2 1841.01,2673.76 1892.1,2622.67 1924.74,2622.67 RP3.4
NetRP4_1: RP4.1 RP8.8 U6.3 | length 746.9
  Top Layer w12: RP8.8 2135.17,2504.59 v1(2231.72,2408.04) RP4.1 ; v1(2259.42,2783.04) U6.3
  Bottom Layer w12: v1(2231.72,2408.04) 2231.72,2755.35 v1(2259.42,2783.04)
NetRP4_2: RP4.2 RP8.7 U6.2 | length 892.9
  Top Layer w12: RP8.7 2110.01,2561.78 2101.38,2553.15 2101.38,2485.24 v1(2200.23,2386.39) RP4.2 ; v1(2259.22,2833.04) U6.2
  Bottom Layer w12: v1(2200.23,2386.39) 2200.23,2774.05 v1(2259.22,2833.04)
NetRP4_3: RP4.3 RP8.6 U6.1 | length 1024.7
  Top Layer w12: RP8.6 2089.34,2593.28 2078.74,2582.68 2078.74,2459.65 2168.73,2369.65 v1(2168.73,2367.13) RP4.3 ; v1(2258.86,2883.04) U6.1
  Bottom Layer w12: v1(2168.73,2367.13) 2168.73,2792.91 v1(2258.86,2883.04)
NetRP4_4: RP4.4 RP8.5 U5.7 | length 740
  Top Layer w10: U5.7 2091.01,2807.61 2135.17,2763.45 RP8.5
  Top Layer w12: RP8.5 2086.39,2624.77 2056.1,2594.49 2056.1,2428.15 2137.24,2347.02 RP4.4
NetRP5_1: RP5.1 RP6.8 U6.7 | length 541.6
  Top Layer w12: U6.7 2445.5,2583.04 v1(2445.87,2582.68) ; RP5.1 RP6.8 2530.94,2348 2511.81,2367.13 v1(2445.87,2367.13)
  Bottom Layer w12: v1(2445.87,2367.13) v1(2445.87,2582.68)
NetRP5_2: RP5.2 RP6.7 U6.6 | length 684.8
  Top Layer w12: U6.6 v1(2446.69,2633.04) ; RP5.2@2404.53,2303.37 v1(2404.53,2405.51) 2533.46,2405.51 2562.43,2376.54 RP6.7
  Bottom Layer w12: v1(2404.53,2405.51) 2404.53,2590.88 v1(2446.69,2633.04)
NetRP5_3: RP5.3 RP6.6 U6.5 | length 845.4
  Top Layer w12: U6.5 v1(2446.82,2683.04) ; RP5.3@2373.03,2303.37 v1(2373.03,2437.01) 2569.88,2437.01 2593.93,2412.96 RP6.6
  Bottom Layer w12: v1(2373.03,2437.01) 2373.03,2609.25 v1(2446.82,2683.04)
NetRP5_4: RP5.4 RP6.5 U6.4 | length 993.6
  Top Layer w12: RP5.4@2340.55,2304.35 v1(2340.55,2470.47) 2580.71,2470.47 2625.43,2425.76 RP6.5 ; U6.4 v1(2447.08,2733.04)
  Bottom Layer w12: v1(2340.55,2470.47) 2340.55,2626.51 v1(2447.08,2733.04)
RS485: R35.2 U2.22 U3.2 U3.3 | length 1300.2
  Top Layer w10: U3.3 U3.2 ; U2.22 2339,1695.37 2339,1267 2229.71,1157.71 U3.2 ; R35.2 2371.58,911.93 2305.12,845.47 2245.08,845.47 2229.71,860.84 U3.2
RXD: U2.4 U3.1 | length 1494.1
  Top Layer w10: U2.4 v1(1856.22,1825) ; U3.1 2279.71,1150.71 2373,1244 v1(2373,1663)
  Bottom Layer w10: v1(1856.22,1825) 2017.22,1664 v1@2374,1664
RXD2: P3.3 U2.18 | length 657.3
  Top Layer w10: U2.18 2208,1648.2 2208,1453 v1(2229,1432)
  Bottom Layer w10: v1(2229,1432) P3.3
SCLK1: J1.7 P45.3 U2.2 | length 1348.8
  Top Layer w10: P45.3 1496.1,843.35 1496.1,1553.97 U2.2
  Bottom Layer w10: J1.7 1287.5,813.87 1340.75,760.63 P45.3
SCLK2: J2.7 P46.3 U2.17 | length 2045.4
  Top Layer w10: v1(1768.7,1265.46) 1766.76,1265.46 1657.13,1155.83 1657.13,588.24 1781.5,463.88 P46.3 ; U2.17 2188,1623.66 2188,1416 2229,1375 v1(2229,1265)
  Bottom Layer w10: v1(1768.7,1265.46) v1@2229,1265.46 ; P46.3 1861.22,460.63 1907.98,413.87 J2.7
SL1: J1.8 P45.2 U2.1 | length 1261.9
  Top Layer w10: P45.2 1476.1,923.35 1476.1,1578.51 U2.1
  Bottom Layer w10: J1.8 1286.91,913.87 1340.16,860.63 P45.2
SL2: J2.8 P46.2 U2.20 | length 2259.7
  Top Layer w10: v1(1768.7,1305.7) 1628.94,1165.94 1628.94,513.19 P46.2 ; U2.20 2266.73,1678.56 v1(2266.73,1305.7)
  Bottom Layer w10: v1(1768.7,1305.7) v1(2266.73,1305.7) ; P46.2 1857.87,360.63 1904.63,313.87 J2.8
SRCLK1: J1.5 P45.5 U2.6 | length 1500.9
  Top Layer w10: P45.5 1420.61,560.63 1536.1,676.13 1536.1,1415.8 U2.6
  Bottom Layer w10: J1.5 1274.91,613.87 1328.15,560.63 P45.5
SRCLK2: J2.5 P46.5 U2.13 | length 1540.8
  Top Layer w10: v1(1768.7,1194.95) 1697.21,1123.46 1697.21,744.92 P46.5 ; U2.13 2076,1557.49 v1(2076,1195)
  Bottom Layer w10: v1(1768.7,1194.95) v1@2074.8,1194.95 ; P46.5 1859.06,660.63 1905.81,613.87 J2.5
TXD: U2.5 U3.4 | length 1170.2
  Top Layer w10: U2.5 v1(1850,1774.24) ; U3.4 2129.71,1103.71 2163,1137 2163,1606 v1(2154,1615)
  Bottom Layer w10: v1(1850,1774.24) 2009.24,1615 v1(2154,1615)
TXD2: P3.2 U2.19 | length 566.8
  Top Layer w10: U2.19 2235,1665.75 v1(2235,1532)
  Bottom Layer w10: v1(2235,1532) P3.2
VCC: C13.1 C14.1 C23.1 D8.1 D13.2 D14.1 D29.2 D30.2 J1.1 J2.1 P3.4 P45.8 P46.8 R26.2 RP11.1 RP11.2 RP11.3 RP11.4 U1.3 U2.14 U3.8 | length 6794.4
  Top Layer w12: J2.1 2059.87,1013.87 2105,1059 2105,1573.04 U2.14
  Top Layer w20: RP11.1 RP11.2 RP11.3 RP11.4 1978.35,1198.77 J2.1 ; v1(2163.37,438.99) D29.2 ; U3.8 2317.84,723.35 ; D30.2 2320.85,720.33 2317.84,723.35 ; R26.2 2600.61,759.08 2586.61,745.08 2439.96,745.08 2422.58,762.46 C23.1 2348.27,806.93 2332.68,791.34 2332.68,738.19 2317.84,723.35
  Top Layer w30: D13.2 616,409.31 v1(616,501) ; v1@616.48,501 D14.1 ; U1.3 v1(1033.46,562.99) 990.14,519.67 C13.1 990.14,348.44 1003.53,335.06 C14.1 1003.53,200.21 1037.4,166.34 1111.91,166.34 1159.45,213.87 J1.1 1303.44,213.87 1350.2,260.63 P45.8 1521.17,152.85 2101.67,152.85 2124.28,175.46 D8.1 2124.28,272.38 v1(2097.44,299.21) ; P46.8 1861.22,960.63 1914.46,1013.87 J2.1
  Bottom Layer w12: v1(2105,1378) 2379,1378 2425,1332 P3.4
  Bottom Layer w20: v1(2097.44,299.21) 2137.8,299.21 2163.37,324.79 v1(2163.37,438.99) 2163.37,630.1 2189.76,656.5 v1(2320.87,656.5)
  Bottom Layer w30: v1(616,501) 791,501 852.99,562.99 v1(1033.46,562.99) ; P45.8 1559.84,260.63 1611.22,312.01 1611.22,890.75 1681.1,960.63 P46.8
pads on no net: J1.2 J1.3 J2.2 J2.3 U4.9 U5.4 U5.9 U5.13 U6.9

## Polygon pours and split planes (outlines as drawn)
GND on Top Layer "Top Layer-No Net" (solid, remove dead copper, pour order 16): -2.8,4722.53 3933.47,4722.53 3936,4720 3936,1 0.75,1 -3.28,-3.03
GND on Bottom Layer "Top Layer-No Net" (solid, remove dead copper, pour order 18): 3940.01,-3.03 3935.98,0.99 3935.98,4724.39 -0.02,4724.39 -3.03,4721.38 -3.28,4721.13 -3.28,-3.03

## Keep-outs
Keep-Out Layer:
  lines w12: 44,862.93 265.98,862.93 ; 44,1097.93 267.98,1097.93 265.98,1095.93 265.98,862.93 ; 264.98,863.93 265.98,862.93 ; 275.57,4237.4 44,4237.4 44,71.85 3881,71.85 3881,4243.11 3661.4,4243.11 3661.4,4561.57 275.57,4561.57 275.57,4238.11 ; 3916.98,864.93 3663.98,864.93 3663.98,1096.93 3917.31,1096.93

## Silkscreen, mask and mechanical layers (free items; w line width, h text height)
Top Overlay:
  text "B7" at 511.79,4662.32 h80 r180
  text "B8" at 925.18,4662.32 h80 r180
  text "B9" at 1377.94,4662.32 h80 r180
  text "B10" at 1791.32,4662.32 h80 r180
  text "A10" at 2224.39,4662.32 h80 r180
  text "A9" at 2637.78,4662.32 h80 r180
  text "A8" at 3070.85,4662.32 h80 r180
  text "A7" at 3503.92,4662.32 h80 r180
  text "1.四周四个安装孔不镀锡" at 4810.98,4208.63 h200
  text "2.机械层为板边界" at 4801.98,3963.63 h200
  text "3.过孔盖油" at 4820.98,3698.63 h200
  text "B6" at 118.09,3126.89 h80 r180
  text "A6" at 3877.94,3126.89 h80 r180
  text "B5" at 118.09,2713.5 h80 r180
  text "A5" at 3877.94,2713.5 h80 r180
  text "B4" at 118.09,2314.33 h80 r180
  text "A4" at 3877.94,2300.12 h80 r180
  text "B3" at 118.09,1906.42 h80 r180
  text "A3" at 3877.94,1906.42 h80 r180
  text "B2" at 118.09,1495.43 h80 r180
  text "A2" at 3897.62,1493.03 h80 r180
  text "B1" at 118.09,1079.65 h80 r180
  text "A1" at 3877.94,1079.65 h80 r180
  text "地址选择" at 356,146 h60 r180
  text "扩展1" at 1497,137 h60 r180
  text "扩展2" at 1820,133 h60 r180
  text "通信1" at 3409,130 h60 r180
  text "通信2" at 3809,127 h60 r180
  text "WWW.YAKETU.COM" at 3006,60 h60 r180
  text "通用扩展锁板" at 2520,57 h60 r180
  text "VC0115" at 2111,55 h60 r180
Mechanical 1:
  lines w6: 3935.98,4721.38 -0.02,4721.38 -0.02,-3.03 3936.98,-3.03 3936.99,4721.38

## Text inside footprints (layer, text, board x,y; h text height)
C5: Top Overlay "+" at 2834.63,394.61 h59.06
C6: Top Overlay "+" at 2834.63,827.68 h59.06
J1: Mechanical 15 "1" at 1210.63,620.34 h29.53 r270
J2: Mechanical 15 "1" at 1996.06,607.41 h29.53 r90